# Altium PCB AI_Pyramid_PCB_HDMI_V0.3_20251031.PcbDoc (part 2 of 2)
Units mil, origin at the board's own origin, x right, y up, seen from the top; angles counter-clockwise.
Board outline 2598.43 x 2224.41 mil, 4 copper layers (Top Layer, Layer 2, Layer 1, Bottom Layer), stack 55.118 mil thick; 67 components, 74 nets, 345 pads, 587 vias.
Unrouted connection lines stored in the file: 22.
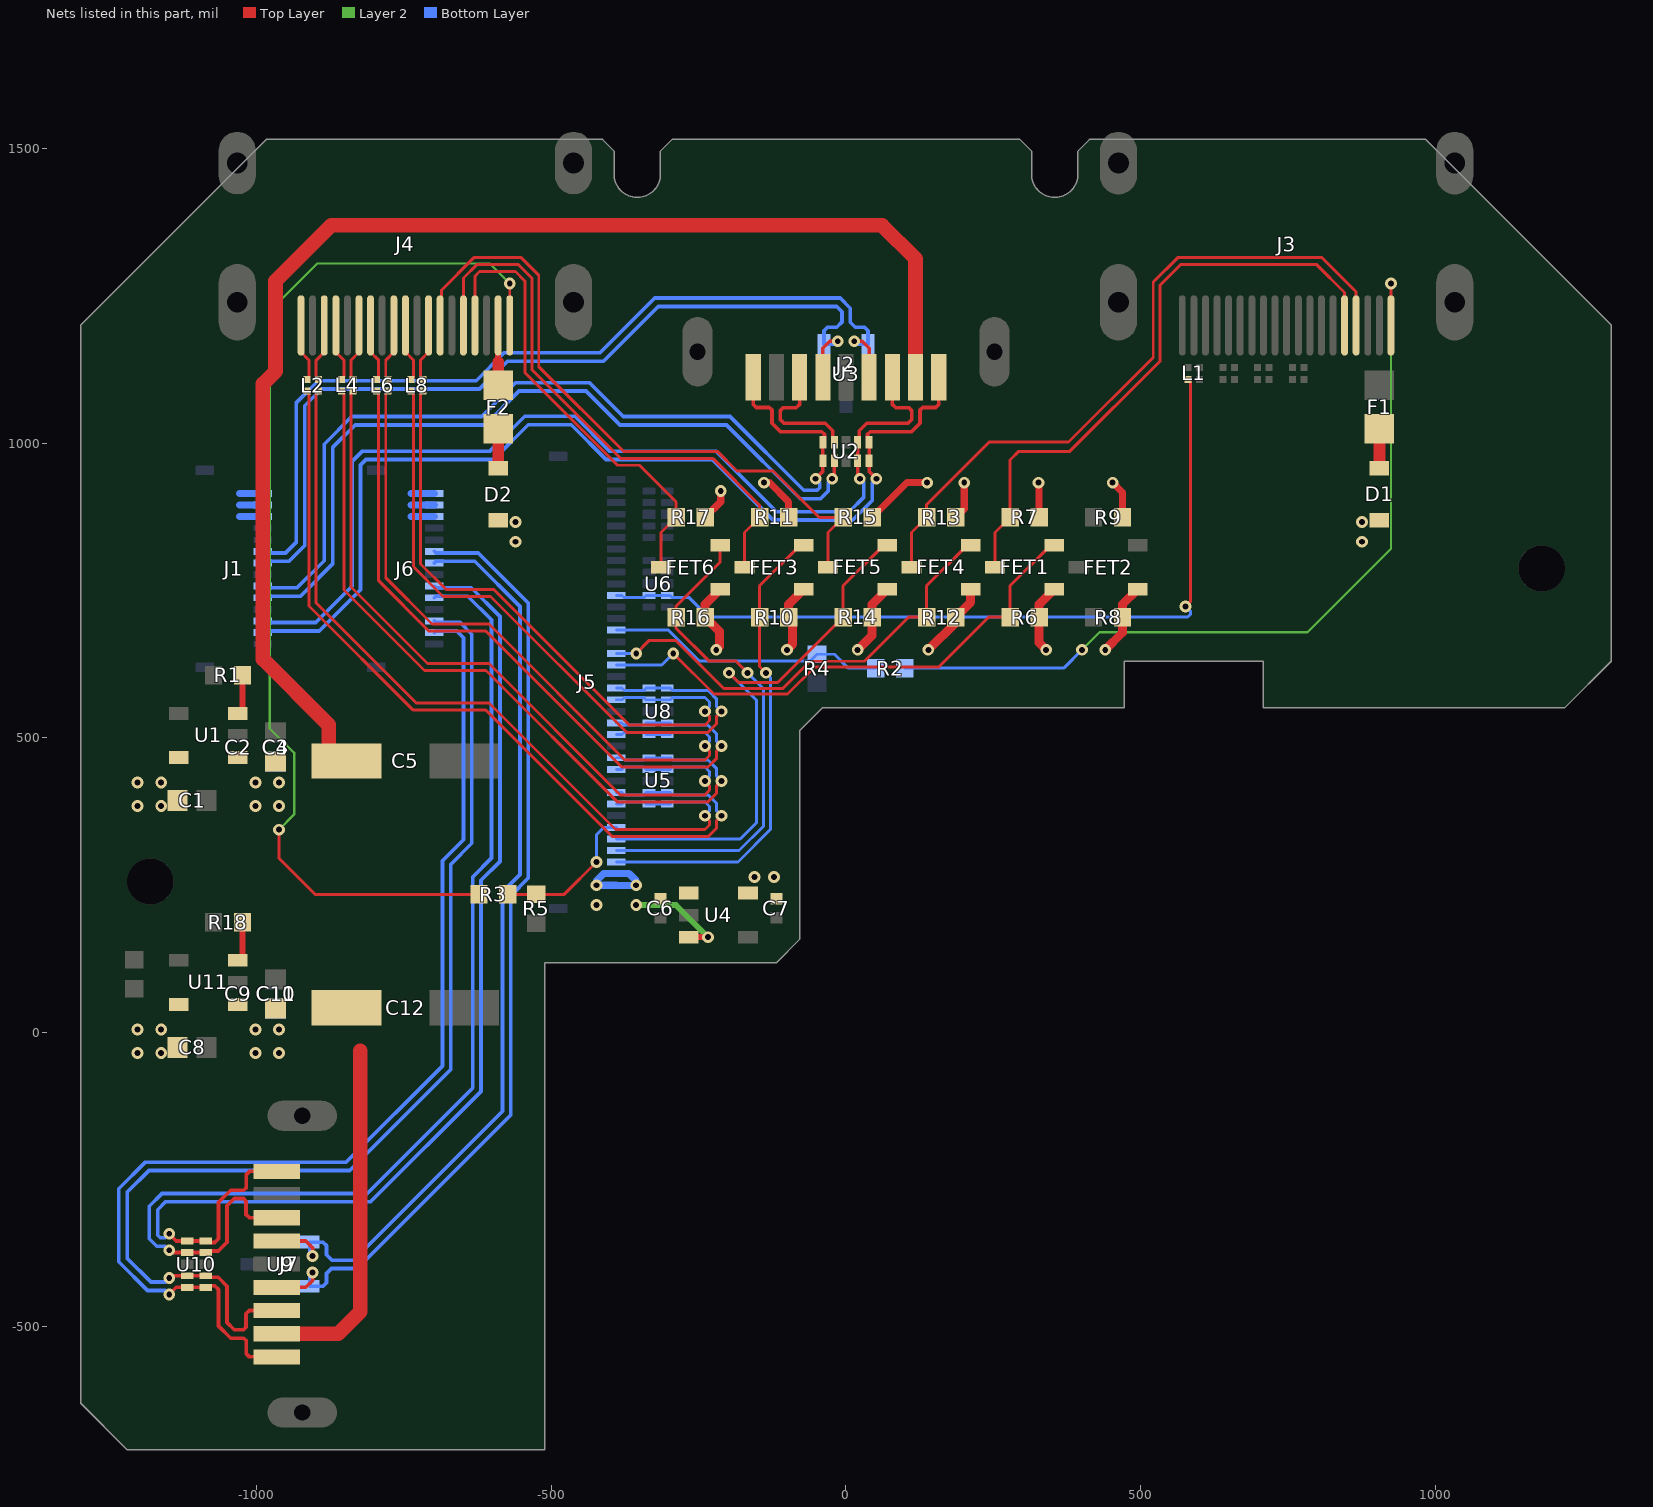
[diagram p4: the nets of this part, all layers, seen from the top]

## Via types
v1: diameter 20, hole 10, Top Layer to Bottom Layer, tented both sides, 587 vias

## Nets (pads, with @x,y where several pads share a name; then routed paths per layer and width w, separated by ;. In a path a pad name is that pad's centre, name@x,y a point inside that pad or via, vN(x,y) a via of type N, cw(c..) or ccw(c..) an arc to the next point about the centre after c; other vN are vias at no path point) (continued)
HDMI0_D2_P: J5.11 L1.1 U6.2 U6.9 | length 1402.3
  Top Layer w5: v1(576.56,722.99) 584.56,730.99 584.56,1104.72 L1.1@580.72,1108.56
  Bottom Layer w5: J5.11@-389.95,741.65 -380.1,741.65 -376.26,737.81 -343.41,737.81 -339.57,741.65 -298.35,741.65 -294.51,737.81 -266.12,737.81 -233.12,704.81 580.11,704.81 584.56,709.27 584.56,714.99 v1(576.56,722.99)
HDMI0_HPD: J5.14 R2.2 R4.2 | length 476.6
  Bottom Layer w5: J5.14@-389.95,682.59 -301.17,682.59 -248.5,629.92 -61.02,629.92 R4.2@-49.21,641.73 -19.69,641.73 3.94,618.11 R2.2@50.2,618.11
HDMI0_HPD_EXT: J3.19 R2.1 | length 1431.3
  Top Layer w5: J3.19@925.2,1200 v1(925.2,1271.18)
  Layer 2 w4: v1(400.75,649.29) 430.59,679.13 783.46,679.13 925.2,820.87 v1(925.2,1271.18)
  Bottom Layer w5: R2.1@99.41,618.11 369.57,618.11 v1(400.75,649.29)
HDMI0_SCL: FET1.2 J5.17 R6.2 | length 915.9
  Top Layer w5: v1(-293.2,643.22) -224.06,574.09 -99.14,574.09 -53.16,620.07 157.47,620.07 242.13,704.72 R6.2@278.54,704.72 278.54,757.87 347.44,826.77 FET1.2@353.35,826.77
  Bottom Layer w5: J5.17@-389.95,623.54 -312.88,623.54 v1(-293.2,643.22)
HDMI0_SCL_EXT: FET1.3 J3.15 R7.2 | length 1049
  Top Layer w5: FET1.3@252.95,789.37 252.95,848.43 R7.2@278.54,874.02 278.54,971.46 293.31,986.22 379.92,986.22 533.46,1139.76 533.46,1268.67 567.94,1303.15 799.21,1303.15 846.46,1255.9 J3.15@846.46,1200
HDMI0_SDA: FET4.2 J5.16 R12.2 | length 776.2
  Top Layer w5: v1(-356.19,643.22) -334.05,665.35 -289.37,665.35 -207.92,583.91 -107.04,583.91 -61.03,629.91 31.49,629.91 106.3,704.72 R12.2@136.81,704.72 136.81,757.87 205.71,826.77 FET4.2@211.61,826.77
  Bottom Layer w5: J5.16@-389.95,643.22 v1(-356.19,643.22)
HDMI0_SDA_EXT: FET4.3 J3.16 R13.2 | length 1175.8
  Top Layer w5: FET4.3@111.22,789.37 111.22,848.43 R13.2@136.81,874.02 136.81,895.67 243.11,1001.97 377.95,1001.97 521.65,1145.67 521.65,1273.56 563.05,1314.96 808.04,1314.96 866.14,1256.86 J3.16@866.14,1200
HDMI1_5V: F2.2 J4.18 | length 101.6
  Top Layer w10: -590.56,1137.8 J4.18@-590.56,1200.02
  Top Layer w20: F2.2@-590.56,1098.43 -590.56,1137.8
HDMI1_CEC: FET5.2 J5.32 R14.2 | length 926.6
  Top Layer w5: v1(-198.71,610.23) -182.09,593.61 -116.03,593.61 R14.2@-4.92,704.72 -4.92,757.87 63.98,826.77 FET5.2@69.88,826.77
  Bottom Layer w5: J5.32@-389.95,328.26 -179.61,328.26 -151.57,356.3 -151.57,563.09 v1(-198.71,610.23)
HDMI1_CEC_EXT: FET5.3 J4.13 R15.2 | length 1134.5
  Top Layer w5: J4.13@-688.98,1200.02 -686.48,1202.52 -686.48,1260.31 -631.83,1314.96 -551.24,1314.96 -521.65,1285.38 -521.65,1129.92 -377.95,986.22 -218.5,986.22 -185.04,952.76 -124.02,952.76 -45.28,874.02 R15.2@-4.92,874.02 -30.51,848.43 FET5.3@-30.51,789.37
HDMI1_CLK_E_N: J4.12 L8.3 | length 99
  Top Layer w5: L8.3@-718.5,1108.27 -722.35,1112.11 -722.35,1141.06 -708.67,1154.74 J4.12@-708.67,1200.02
HDMI1_CLK_E_P: J4.10 L8.4 | length 99
  Top Layer w5: J4.10@-748.04,1200.02 -748.04,1154.74 -734.35,1141.06 -734.35,1112.11 L8.4@-738.19,1108.27
HDMI1_CLK_N: J5.20 L8.2 U8.4 U8.7 | length 1107
  Top Layer w5: L8.2@-718.5,1088.58 -722.35,1084.74 -722.35,795.18 -679.13,751.97 -598.43,751.97 -367.72,521.27 -239.31,521.27 -231.53,529.05 -231.53,536.79 v1(-239.53,544.8)
  Bottom Layer w5: J5.20@-389.95,564.48 -380.11,564.48 -376.26,568.32 -343.41,568.32 -339.57,564.48 U8.4@-334.65,564.48 U8.7@-303.28,564.48 -298.35,564.48 -294.51,568.33 -239.31,568.33 -231.53,560.54 -231.53,552.8 v1(-239.53,544.8)
HDMI1_CLK_P: J5.19 L8.1 U8.5 U8.6 | length 1166.7
  Top Layer w5: L8.1@-738.19,1088.58 -734.35,1084.74 -734.35,790.21 -684.1,739.97 -603.4,739.97 -372.69,509.27 -234.34,509.27 -219.53,524.08 -219.53,536.79 v1(-211.53,544.8)
  Bottom Layer w5: J5.19@-389.95,584.17 -380.1,584.17 -376.26,580.32 -343.41,580.32 -339.57,584.17 U8.6@-303.28,584.17 -298.35,584.17 -294.51,580.33 -234.34,580.33 -219.53,565.51 -219.53,552.8 v1(-211.53,544.8)
HDMI1_D0_E_N: J4.9 L6.3 | length 99
  Top Layer w5: L6.3@-777.56,1108.27 -781.41,1112.11 -781.41,1126.59 -781.41,1141.06 -767.72,1154.74 J4.9@-767.72,1200.02
HDMI1_D0_E_P: J4.7 L6.4 | length 99
  Top Layer w5: J4.7@-807.09,1200.02 -807.09,1154.74 -793.41,1141.06 -793.41,1112.11 L6.4@-797.24,1108.27
HDMI1_D0_N: J5.23 L6.2 U8.1 U8.10 | length 1204.4
  Top Layer w5: L6.2@-777.56,1088.58 -781.4,1084.74 -781.4,771.56 -702.76,692.91 -606.3,692.91 -375.59,462.21 -239.31,462.21 -231.53,469.99 -231.53,477.73 v1(-239.53,485.75)
  Bottom Layer w5: J5.23@-389.95,505.43 -380.1,505.42 -376.26,509.26 -343.41,509.26 -339.57,505.42 -298.35,505.42 -294.51,509.27 -239.31,509.28 -231.53,501.49 -231.53,493.75 v1(-239.53,485.75)
HDMI1_D0_P: J5.22 L6.1 U8.2 U8.9 | length 1264
  Top Layer w5: L6.1@-797.24,1088.58 -793.4,1084.74 -793.4,766.59 -707.73,680.91 -611.27,680.91 -380.56,450.21 -234.34,450.21 -219.53,465.02 -219.53,477.73 v1(-211.53,485.75)
  Bottom Layer w5: J5.22@-389.95,525.11 -380.1,525.11 -376.26,521.26 -343.41,521.26 -339.57,525.11 -298.35,525.11 -294.51,521.27 -234.34,521.28 -219.53,506.46 -219.53,493.75 v1(-211.53,485.75)
HDMI1_D1_E_N: J4.6 L4.3 | length 99
  Top Layer w5: L4.3@-836.61,1108.27 -840.46,1112.11 -840.46,1141.06 -826.78,1154.74 J4.6@-826.78,1200.02
HDMI1_D1_E_P: J4.4 L4.4 | length 99
  Top Layer w5: J4.4@-866.15,1200.02 -866.15,1154.74 -852.46,1141.06 -852.46,1112.11 L4.4@-856.3,1108.27
HDMI1_D1_N: J5.26 L4.2 U5.4 U5.7 | length 1297.1
  Top Layer w5: L4.2@-836.61,1088.58 -840.46,1084.74 -840.46,755.81 -710.63,625.98 -606.3,625.98 -383.47,403.16 -239.31,403.16 -231.53,410.94 -231.53,418.68 v1(-239.53,426.69)
  Bottom Layer w5: J5.26@-389.95,446.37 -380.11,446.37 -376.26,450.21 -343.41,450.21 -339.57,446.37 -298.35,446.37 -294.51,450.22 -239.31,450.22 -231.53,442.43 -231.53,434.69 v1(-239.53,426.69)
HDMI1_D1_P: J5.25 L4.1 U5.5 U5.6 | length 1356.8
  Top Layer w5: L4.1@-856.3,1088.58 -852.46,1084.74 -852.46,750.84 -715.6,613.98 -611.27,613.98 -388.44,391.16 -234.34,391.16 -219.53,405.97 -219.53,418.68 v1(-211.53,426.69)
  Bottom Layer w5: J5.25@-389.95,466.06 -380.11,466.06 -376.26,462.21 -343.41,462.21 -339.57,466.06 -298.35,466.06 -294.51,462.22 -234.34,462.22 -219.53,447.4 -219.53,434.69 v1(-211.53,426.69)
HDMI1_D2_E_N: J4.3 L2.3 | length 99
  Top Layer w5: L2.3@-895.67,1108.27 -899.52,1112.11 -899.52,1141.06 -885.83,1154.74 J4.3@-885.83,1200.02
HDMI1_D2_E_P: J4.1 L2.4 | length 99
  Top Layer w5: J4.1@-925.2,1200.02 -925.2,1154.74 -911.52,1141.06 -911.52,1112.11 L2.4@-915.35,1108.27
HDMI1_D2_N: J5.29 L2.2 U5.1 U5.10 | length 1396.5
  Top Layer w5: L2.2@-895.67,1088.58 -899.51,1084.74 -899.51,728.71 -729.67,558.87 -606.11,558.87 -391.34,344.1 -239.31,344.1 -231.53,351.88 -231.53,359.62 v1(-239.53,367.64)
  Bottom Layer w5: J5.29@-389.95,387.31 -380.11,387.31 -376.26,391.15 -343.41,391.15 -339.57,387.31 -298.35,387.31 -294.51,391.16 -239.31,391.17 -231.53,383.38 -231.53,375.64 v1(-239.53,367.64)
HDMI1_D2_P: J5.28 L2.1 U5.2 U5.9 | length 1456.2
  Top Layer w5: L2.1@-915.35,1088.58 -911.51,1084.74 -911.51,723.74 -734.64,546.87 -611.08,546.87 -396.31,332.1 -234.34,332.1 -219.53,346.91 -219.53,359.62 v1(-211.53,367.64)
  Bottom Layer w5: J5.28@-389.95,407 -380.1,407 -376.26,403.15 -343.41,403.15 -339.57,407 -298.35,407 -294.51,403.16 -234.34,403.17 -219.53,388.35 -219.53,375.64 v1(-211.53,367.64)
HDMI1_HPD: J5.31 R3.2 R5.2 | length 258.3
  Top Layer w5: R3.2@-573.94,234.24 R5.2@-525.71,234.24 -478.34,234.24 v1(-423.7,288.89)
  Bottom Layer w5: v1(-423.7,288.89) -423.7,335.27 -411.02,347.94 J5.31@-389.95,347.94
HDMI1_HPD_EXT: J4.19 R3.1 | length 1847.8
  Top Layer w5: v1(-962.68,343.94) -962.68,295.35 -901.57,234.24 R3.1@-623.15,234.24 ; J4.19@-570.87,1200.02 v1(-570.87,1271.2)
  Layer 2 w4: v1(-962.68,343.94) -937.01,369.61 -937.01,474.41 -978.35,515.75 -978.35,1224.41 -897.64,1305.12 -604.79,1305.12 v1(-570.87,1271.2)
HDMI1_SCL: FET3.2 J5.34 R10.2 | length 809.5
  Top Layer w5: v1(-135.72,610.23) -146.65,621.17 R10.2@-146.65,704.72 -146.65,757.87 -77.76,826.77 FET3.2@-71.85,826.77
  Bottom Layer w5: J5.34@-389.95,288.89 -183.55,288.89 -127.95,344.49 -127.95,602.46 v1(-135.72,610.23)
HDMI1_SCL_EXT: FET3.3 J4.15 R11.2 | length 969
  Top Layer w5: J4.15@-649.61,1200.02 -649.61,1280.48 -626.94,1303.15 -556.13,1303.15 -533.47,1280.48 -533.47,1125.03 -382.84,974.41 -226.38,974.41 -146.65,894.69 R11.2@-146.65,874.02 -172.24,848.43 FET3.3@-172.24,789.37
HDMI1_SDA: FET6.2 J5.33 R16.2 | length 863
  Top Layer w5: FET6.2@-213.58,826.77 -213.58,798.23 -288.39,723.42 R16.2@-288.39,704.72 -288.39,686.02 -232.28,629.92 -186.91,629.92 v1(-167.21,610.23)
  Bottom Layer w5: J5.33@-389.95,308.57 -181.59,308.57 -139.76,350.39 -139.76,582.78 v1(-167.21,610.23)
HDMI1_SDA_EXT: FET6.3 J4.16 R17.2 | length 803
  Top Layer w5: J4.16@-629.93,1200.02 -629.93,1283.46 -622.05,1291.34 -561.02,1291.34 -545.28,1275.59 -545.28,1120.14 -387.74,962.6 -350.39,962.6 -288.39,900.59 R17.2@-288.39,874.02 -313.98,848.43 FET6.3@-313.98,789.37
NetD1_2: D1.2 F1.1 | length 67.1
  Top Layer w20: D1.2@905.51,957.26 F1.1@905.51,1024.41
NetD2_2: D2.2 F2.1 | length 67.1
  Top Layer w20: D2.2@-590.56,957.28 F2.1@-590.56,1024.43
NetR1_1: R1.1 U1.3 | length 68.2
  Top Layer w10: U1.3@-1032.48,541.34 -1024.61,549.21 R1.1@-1024.61,606.3
NetR18_1: R18.1 U11.3 | length 68.2
  Top Layer w10: U11.3@-1032.48,122.05 -1024.61,129.92 R18.1@-1024.61,187.01
USB2_DS3_D0_N: J1.9 J2.2 U3.2 | length 1511.6
  Top Layer w6.23: v1(14,1173.23) 27.56,1173.23 39.37,1161.42 J2.2@39.37,1112.2
  Bottom Layer w6.23: J1.9@-990.16,816.42 -987.42,813.69 -951.55,813.69 -933.07,832.17 -933.07,1069.34 -896.11,1106.3 -627.95,1106.3 -580.71,1153.54 -417.76,1153.54 -324.79,1246.51 -9.85,1246.51 7.35,1229.31 7.35,1205.24 15.75,1196.85 31.5,1196.85 37.4,1190.94 U3.2@37.4,1168.31 18.92,1168.31 v1(14,1173.23)
USB2_DS3_D0_P: J1.8 J2.3 U3.1 | length 1488.2
  Top Layer w6.23: J2.3@-39.37,1112.2 -39.37,1161.42 -27.56,1173.23 v1(-14,1173.23)
  Bottom Layer w6.23: J1.8@-990.16,796.73 -987.42,799.46 -945.65,799.46 -918.84,826.27 -918.84,1063.44 -890.21,1092.07 -622.06,1092.07 -574.81,1139.31 -411.87,1139.31 -318.9,1232.28 -15.75,1232.28 -6.88,1223.41 -6.88,1205.72 -15.75,1196.85 -31.5,1196.85 -37.4,1190.94 U3.1@-37.4,1168.31 -18.92,1168.31 v1(-14,1173.23)
USB2_DS4_D0_N: J6.9 J7.2 U9.2 | length 1653.2
  Top Layer w6.23: J7.2@-966.54,-433.07 -917.32,-433.07 -905.51,-421.26 v1(-905.51,-407.7)
  Bottom Layer w6.23: v1(-905.51,-407.7) -910.43,-412.62 U9.2@-910.43,-431.1 -887.8,-431.1 -881.89,-425.2 -881.89,-409.45 -873.5,-401.05 -829.75,-401.05 -568.9,-140.2 -568.9,232.28 -539.29,261.89 -539.29,728.71 -624.27,813.69 -696.09,813.69 J6.9@-698.82,816.42
USB2_DS4_D0_P: J6.8 J7.3 U9.1 | length 1606.2
  Top Layer w6.23: J7.3@-966.54,-354.33 -917.32,-354.33 -905.51,-366.14 v1(-905.51,-379.7)
  Bottom Layer w6.23: v1(-905.51,-379.7) -910.43,-374.78 U9.1@-910.43,-356.3 -887.8,-356.3 -881.89,-362.2 -881.89,-377.95 -873.02,-386.82 -835.64,-386.82 -583.13,-134.31 -583.13,238.18 -553.52,267.78 -553.52,722.81 -630.17,799.46 -696.09,799.46 J6.8@-698.82,796.73
USB3_DS3_RX_N: J1.6 J2.5 U2.5 U2.6 | length 1585
  Top Layer w6.23: J2.5@-157.48,1112.2 -157.48,1065.88 -152.34,1060.74 -130.09,1060.74 -125.61,1056.27 -125.61,1034.11 -111.11,1019.62 -41.16,1019.62 -36.64,1015.1 -36.64,1009.37 -39.37,1006.65 U2.5@-39.37,1001.72 U2.6@-39.37,970.35 -39.37,951.89 v1(-51.53,939.74)
  Bottom Layer w6.23: J1.6@-990.16,757.36 -987.43,754.63 -931.86,754.63 -885.83,800.67 -885.83,998.47 -839.02,1045.28 -618.55,1045.28 -561.01,1102.81 -435.49,1102.81 -377.95,1045.28 -196.85,1045.28 -71.7,920.12 -49.11,920.12 -44.64,924.59 -44.64,932.85 v1(-51.53,939.74)
USB3_DS3_RX_P: J1.5 J2.6 U2.4 U2.7 | length 1605.5
  Top Layer w6.23: J2.6@-78.74,1112.2 -78.74,1065.88 -84.41,1060.22 -106.91,1060.22 -111.38,1055.74 -111.38,1040.01 -105.22,1033.85 -35.26,1033.85 -22.41,1020.99 -22.41,1009.37 -19.69,1006.65 U2.4@-19.69,1001.72 U2.7@-19.69,970.35 -19.69,943.58 v1(-23.53,939.74)
  Bottom Layer w6.23: J1.5@-990.16,737.68 -987.43,740.4 -925.97,740.4 -871.6,794.78 -871.6,992.58 -833.13,1031.05 -612.66,1031.05 -555.12,1088.58 -441.38,1088.58 -383.85,1031.05 -202.74,1031.05 -77.59,905.89 -43.21,905.89 -30.41,918.69 -30.41,932.85 v1(-23.53,939.74)
USB3_DS3_TX_N: J1.3 J2.8 U2.2 U2.9 | length 1681.5
  Top Layer w6.23: v1(23.53,939.74) 19.68,943.58 U2.9@19.68,970.35 U2.2@19.68,1001.72 19.68,1006.65 22.41,1009.37 22.41,1020.99 35.26,1033.85 105.22,1033.85 111.38,1040.01 111.38,1055.74 106.91,1060.22 84.41,1060.22 78.74,1065.88 J2.8@78.74,1112.2
  Bottom Layer w6.23: J1.3@-990.16,698.31 -987.42,695.58 -900.37,695.58 -838.58,757.36 -838.58,968.94 -820.85,986.67 -604.32,986.67 -545.26,1045.73 -460.64,1045.73 -401.59,986.67 -220.92,986.67 -118.11,883.86 5.43,883.86 30.41,908.84 30.41,932.85 v1(23.53,939.74)
USB3_DS3_TX_P: J1.2 J2.9 U2.1 U2.10 | length 1708.1
  Top Layer w6.23: v1(51.53,939.74) 39.37,951.89 U2.10@39.37,970.35 U2.1@39.37,1001.72 39.37,1006.65 36.64,1009.37 36.64,1015.1 41.16,1019.62 111.11,1019.62 125.61,1034.11 125.61,1056.27 130.08,1060.74 152.34,1060.74 157.48,1065.88 J2.9@157.48,1112.2
  Bottom Layer w6.23: J1.2@-990.15,678.62 -987.42,681.35 -894.47,681.35 -824.35,751.47 -824.35,963.05 -814.96,972.44 -598.43,972.44 -539.37,1031.5 -466.54,1031.5 -407.48,972.44 -226.82,972.44 -124,869.63 11.32,869.63 44.64,902.95 44.64,932.85 v1(51.53,939.74)
USB3_DS4_RX_N: J6.6 J7.5 U10.5 U10.6 | length 1940.1
  Top Layer w6.23: v1(-1149,-342.17) -1136.85,-354.33 U10.6@-1118.39,-354.33 -1082.09,-354.33 -1079.37,-357.06 -1071.8,-357.06 -1065.25,-350.51 -1065.25,-288.71 -1044.63,-268.09 -1022.47,-268.09 -1018,-263.62 -1018,-241.36 -1012.86,-236.22 J7.5@-966.54,-236.22
  Bottom Layer w6.23: v1(-1149,-342.17) -1155.89,-349.06 -1164.15,-349.06 -1168.62,-344.59 -1168.62,-301.18 -1155.29,-287.85 -807.1,-287.85 -619.63,-100.38 -619.63,257.89 -587.5,290.02 -587.5,706.05 -636.09,754.63 -696.09,754.63 J6.6@-698.82,757.36
USB3_DS4_RX_P: J6.5 J7.6 U10.4 U10.7 | length 1937.1
  Top Layer w6.23: v1(-1149,-370.17) -1145.16,-374.02 U10.7@-1118.39,-374.02 -1082.09,-374.02 -1079.37,-371.29 -1065.91,-371.29 -1051.02,-356.4 -1051.02,-294.61 -1038.73,-282.32 -1023,-282.32 -1018.52,-286.79 -1018.52,-309.29 -1012.86,-314.96 J7.6@-966.54,-314.96
  Bottom Layer w6.23: v1(-1149,-370.17) -1155.89,-363.29 -1170.05,-363.29 -1182.85,-350.49 -1182.85,-295.29 -1161.18,-273.62 -812.99,-273.62 -633.86,-94.49 -633.86,263.78 -601.73,295.91 -601.73,700.15 -641.98,740.4 -696.09,740.4 J6.5@-698.82,737.68
USB3_DS4_TX_N: J6.3 J7.8 U10.2 U10.9 | length 1950.4
  Top Layer w6.23: v1(-1149,-417.23) -1145.16,-413.39 U10.9@-1118.39,-413.39 U10.2@-1087.02,-413.39 -1082.09,-413.39 -1079.37,-416.11 -1065.91,-416.11 -1051.02,-431 -1051.02,-492.79 -1038.73,-505.08 -1023,-505.08 -1018.52,-500.61 -1018.52,-478.11 -1012.86,-472.44 J7.8@-966.54,-472.44
  Bottom Layer w6.23: v1(-1149,-417.23) -1155.89,-424.11 -1179.9,-424.11 -1220.47,-383.54 -1220.47,-271.65 -1183.52,-234.7 -842.53,-234.7 -670.81,-62.98 -670.81,285.44 -635.3,320.96 -635.3,675.84 -655.04,695.58 -696.09,695.58 J6.3@-698.82,698.31
USB3_DS4_TX_P: J6.2 J7.9 U10.1 U10.10 | length 1953.4
  Top Layer w6.23: v1(-1149,-445.23) -1136.85,-433.07 U10.10@-1118.39,-433.07 U10.1@-1087.02,-433.07 -1082.09,-433.07 -1079.37,-430.34 -1071.8,-430.34 -1065.25,-436.89 -1065.25,-498.69 -1044.63,-519.31 -1022.47,-519.31 -1018,-523.79 -1018,-546.04 -1012.86,-551.18 J7.9@-966.54,-551.18
  Bottom Layer w6.23: v1(-1149,-445.23) -1155.89,-438.34 -1185.79,-438.34 -1234.7,-389.43 -1234.7,-265.76 -1189.42,-220.47 -848.43,-220.47 -685.04,-57.09 -685.04,291.34 -649.53,326.85 -649.53,669.95 -660.93,681.35 -696.09,681.35 J6.2@-698.82,678.62
VDD_3V3: C7.2 FET1.1 FET2.1 FET3.1 FET4.1 FET5.1 FET6.1 R6.1 R8.1 R10.1 R12.1 R14.1 R16.1 U4.5 | length 745.5
  Top Layer w15: v1(-220.2,649.29) -214.57,654.92 -214.57,680.12 R16.1@-239.17,704.72 -239.17,726.38 FET6.1@-213.58,751.97 ; v1(-100.2,649.29) -90.55,658.94 -90.55,697.83 R10.1@-97.44,704.72 -97.44,726.38 FET3.1@-71.85,751.97 ; v1(19.8,649.29) 44.29,673.78 R14.1@44.29,704.72 44.29,726.38 FET5.1@69.88,751.97 ; v1(139.8,649.29) 186.02,695.51 R12.1@186.02,704.72 211.61,730.32 FET4.1@211.61,751.97 ; v1(339.8,649.29) 327.76,661.33 R6.1@327.76,704.72 327.76,726.38 FET1.1@353.35,751.97 ; v1(440.12,649.29) 469.49,678.66 R8.1@469.49,704.72 469.49,726.38 FET2.1@495.08,751.97
  other v1: -155.51,263.78 -122.04,263.78
VDD_5V: C6.2 D1.1 D2.1 J5.35 J5.36 R7.1 R9.1 R11.1 R13.1 R15.1 R17.1 U4.1 U4.3 | length 783.6
  Top Layer w10: U4.3@-266.73,161.42 v1(-234.25,161.42)
  Top Layer w12: R17.1@-239.17,874.02 -212.6,900.59 v1(-212.6,918.77) ; v1(-139.21,933.07) -129.92,933.07 -97.44,900.59 R11.1@-97.44,874.02 ; R15.1@44.29,874.02 103.34,933.07 v1(137.79,933.07) ; R13.1@186.02,874.02 200.79,888.78 v1(200.79,933.07) ; v1(326.77,933.07) 327.76,932.08 R7.1@327.76,874.02 ; v1(452.75,933.07) 469.49,916.33 R9.1@469.49,874.02
  Layer 2 w10: v1(-356.2,216.05) -288.88,216.05 v1(-234.25,161.42)
  Bottom Layer w12: v1(-423.7,249.52) -389.96,249.52 -356.21,249.51 -356.2,257.3 -368.1,269.2 J5.35@-389.95,269.2 -411.8,269.2 -423.7,257.3 v1(-423.7,249.52)
  other v1: -423.7,216.05 -356.2,249.52 -561.03,832.69 875.99,832.67 -561.03,866.16 875.98,866.14
VDD_EXT_5V: C1.2 C8.2 J1.12 J1.13 J1.14 J6.12 J6.13 J6.14 U1.5 U11.5 | length 236.2
  Bottom Layer w12: -1029.53,875.47 J1.12@-990.16,875.47 ; -1029.53,895.16 J1.13@-990.16,895.16 ; -1029.53,914.84 J1.14@-990.16,914.84 ; -738.19,875.47 J6.12@-698.82,875.47 ; -738.19,895.16 J6.13@-698.82,895.16 ; -738.19,914.84 J6.14@-698.82,914.84
  other v1: -1202.68,-35.35 -1162.68,-35.35 -1202.68,4.65 -1162.68,4.65 -1202.68,383.94 -1162.68,383.94 -1202.68,423.94 -1162.68,423.94
VUSB_DS3: C2.1 C3.2 C4.2 C5.1 J2.1 U1.1 | length 2200.9
  Top Layer w25: C5.1@-877.95,480.32 -877.95,521.65 -990.16,633.86 -990.16,1100.39 -968.5,1122.05 -968.5,1275.59 -874.02,1370.08 61.02,1370.08 118.11,1312.99 J2.1@118.11,1112.2
  other v1: -1002.68,383.94 -962.68,383.94 -1002.68,423.94 -962.68,423.94
VUSB_DS4: C9.1 C10.2 C11.2 C12.1 J7.1 U11.1 | length 600.1
  Top Layer w25: J7.1@-966.54,-511.81 -862.21,-511.81 -824.8,-474.41 -824.8,-31.5
  other v1: -1002.68,-35.35 -962.68,-35.35 -1002.68,4.65 -962.68,4.65
pads on no net: J1.15 J1.16 J3.14 J4.14 J5.0 J6.15 J6.16 U4.4

## Polygon pours and split planes (outlines as drawn)
GND on Top Layer "NONET_L01_P-001" (solid, remove dead copper, pour order 30): -1299.21,-629.92 -1220.47,-708.66 -511.81,-708.66 -511.81,118.11 -118.11,118.11 -78.74,157.48 -78.74,511.81 -39.37,551.18 472.44,551.18 472.44,629.92 708.66,629.92 708.66,551.18 1220.47,551.18 1299.21,629.92 1299.21,1200.79 984.25,1515.75 413.39,1515.75 393.7,1496.06 393.7,1456.69 cw(c354.33,1456.69) 354.33,1417.32 cw(c354.33,1456.69) 314.96,1456.69 314.96,1496.06 295.28,1515.75 -295.28,1515.75 -314.96,1496.06 -314.96,1456.69 cw(c-354.33,1456.69) -354.33,1417.32 cw(c-354.33,1456.69) -393.7,1456.69 -393.7,1496.06 -413.39,1515.75 -984.25,1515.75 -1299.21,1200.79
VDD_5V on Top Layer "NONET_L01_P-001" (solid, remove dead copper, pour order 26): -602.36,881.91 -606.3,877.97 -606.3,820.89 -602.36,816.95 -553.15,816.95 -549.21,820.89 -549.21,877.97 -553.15,881.91
VDD_5V on Top Layer "NONET_L01_P-001" (solid, remove dead copper, pour order 22): 917.32,881.89 921.26,877.95 921.26,820.87 917.32,816.93 868.11,816.93 864.17,820.87 864.17,877.95 868.11,881.89
VDD_5V on Top Layer "NONET_L01_P-001" (solid, remove dead copper, pour order 20): -250,253.94 -253.94,257.87 -429.13,257.87 -433.07,253.94 -433.07,175.2 -429.13,171.26 -346.46,171.26 -342.52,175.2 -342.52,212.6 -336.61,218.5 -253.94,218.5 -250,222.44
VDD_3V3 on Top Layer "NONET_L01_P-001" (solid, remove dead copper, pour order 19): -114.17,283.46 -110.24,279.53 -110.24,222.44 -114.17,218.5 -179.13,218.5 -183.07,222.44 -183.07,277.56 -177.17,283.46
VUSB_DS3 on Top Layer "NONET_L01_P-001" (solid, remove dead copper, pour order 3): -913.39,476.38 -893.7,496.06 -811.02,496.06 -803.15,488.19 -803.15,377.95 -811.02,370.08 -1043.31,370.08 -1051.18,377.95 -1051.18,468.5 -1043.31,476.38
VDD_EXT_5V on Top Layer "NONET_L01_P-001" (solid, remove dead copper, pour order 4): -1125.98,488.19 -1118.11,480.32 -1118.11,377.95 -1125.98,370.08 -1212.6,370.08 -1220.47,377.95 -1220.47,480.32 -1212.6,488.19
VDD_EXT_5V on Top Layer "NONET_L01_P-001" (solid, remove dead copper, pour order 16): -1220.47,35.43 -1212.6,43.31 -1177.17,43.31 -1161.42,59.06 -1125.98,59.06 -1118.11,51.18 -1118.11,-41.34 -1125.98,-49.21 -1212.6,-49.21 -1220.47,-41.34
VUSB_DS4 on Top Layer "NONET_L01_P-001" (solid, remove dead copper, pour order 15): -901.57,57.09 -881.89,76.77 -811.02,76.77 -803.15,68.9 -803.15,-41.34 -811.02,-49.21 -1043.31,-49.21 -1051.18,-41.34 -1051.18,49.21 -1043.31,57.09
GND on Bottom Layer "NONET_L01_P-001" (solid, remove dead copper, pour order 29): -1299.46,-633.45 -1220.72,-712.19 -512.06,-712.19 -512.06,114.58 -118.36,114.58 -78.99,153.95 -78.99,508.28 -39.62,547.65 472.19,547.65 472.19,626.39 708.41,626.39 708.41,547.65 1220.22,547.65 1298.96,626.39 1298.96,1197.26 984,1512.22 413.14,1512.22 393.45,1492.53 393.45,1453.16 cw(c354.08,1453.16) 354.08,1413.79 cw(c354.08,1453.16) 314.71,1453.16 314.71,1492.53 295.02,1512.22 -295.53,1512.22 -315.21,1492.53 -315.21,1453.16 cw(c-354.58,1453.16) -354.58,1413.79 cw(c-354.58,1453.16) -393.95,1453.16 -393.95,1492.53 -413.64,1512.22 -984.5,1512.22 -1299.46,1197.26
VDD_5V on Bottom Layer "NONET_L01_P-001" (solid, remove dead copper, pour order 27): 124.02,1041.34 127.95,1045.28 429.13,1045.28 627.95,1244.09 905.51,1244.09 921.26,1228.35 921.26,820.87 917.32,816.93 866.14,816.93 862.2,820.87 862.2,1143.7 854.33,1151.57 688.98,1151.57 460.63,923.23 127.95,923.23 124.02,927.17
VDD_EXT_5V on Bottom Layer "NONET_L01_P-001" (solid, remove dead copper, pour order 23): -795.28,915.35 -791.34,919.29 -740.16,919.29 -736.22,915.35 -736.22,710.63 -885.83,561.02 -1098.43,561.02 -1141.73,517.72 -1141.73,374.02 -1145.67,370.08 -1246.06,370.08 -1250,374.02 -1250,600.39 -1104.33,746.06 -1104.33,921.26 -1100.39,925.2 -1023.62,925.2 -1019.68,921.26 -1019.68,631.89 -1015.75,627.95 -944.88,627.95 -929.13,643.7 -885.83,643.7 -795.28,734.25
VDD_5V on Bottom Layer "NONET_L01_P-001" (solid, remove dead copper, pour order 17): -438.98,273.62 -407.47,242.11 -348.41,242.11 -344.49,238.19 -344.49,169.29 -348.43,165.35 -431.1,165.35 -498.03,232.28 -498.03,750 -576.77,828.74 -576.77,875.98 -572.83,879.92 -442.91,879.92 -438.98,875.98
VUSB_DS3 on Bottom Layer "NONET_L01_P-001" (solid, remove dead copper, pour order 2): -901.57,476.38 -881.89,496.06 -811.02,496.06 -803.15,488.19 -803.15,377.95 -811.02,370.08 -1043.31,370.08 -1051.18,377.95 -1051.18,468.5 -1043.31,476.38
VUSB_DS4 on Bottom Layer "NONET_L01_P-001" (solid, remove dead copper, pour order 14): -901.57,57.09 -881.89,76.77 -811.02,76.77 -803.15,68.9 -803.15,-41.34 -811.02,-49.21 -1043.31,-49.21 -1051.18,-41.34 -1051.18,49.21 -1043.31,57.09
GND on Layer 2 "NONET_L01_P-001" (solid, remove dead copper, pour order 28): -1299.21,-629.92 -1220.47,-708.66 -511.81,-708.66 -511.81,118.11 -118.11,118.11 -78.74,157.48 -78.74,511.81 -39.37,551.18 472.44,551.18 472.44,629.92 708.66,629.92 708.66,551.18 1220.47,551.18 1299.21,629.92 1299.21,1200.79 984.25,1515.75 413.39,1515.75 393.7,1496.06 393.7,1456.69 cw(c354.33,1456.69) 354.33,1417.32 cw(c354.33,1456.69) 314.96,1456.69 314.96,1496.06 295.28,1515.75 -295.28,1515.75 -314.96,1496.06 -314.96,1456.69 cw(c-354.33,1456.69) -354.33,1417.32 cw(c-354.33,1456.69) -393.7,1456.69 -393.7,1496.06 -413.39,1515.75 -984.25,1515.75 -1299.21,1200.79
VDD_5V on Layer 2 "NONET_L01_P-001" (solid, remove dead copper, pour order 24): 460.63,818.9 464.57,822.83 464.57,940.94 460.63,944.88 100.39,944.88 74.8,919.29 -104.33,919.29 -139.76,954.72 -572.83,954.72 -576.77,950.79 -576.77,828.74 -566.93,818.9
VDD_EXT_5V on Layer 2 "NONET_L01_P-001" (solid, remove dead copper, pour order 21): -1216.54,484.25 -1212.6,488.19 -1005.91,488.19 -1001.97,484.25 -1001.97,-45.28 -1005.91,-49.21 -1212.6,-49.21 -1216.54,-45.28
VDD_3V3 on Layer 2 "NONET_L01_P-001" (solid, remove dead copper, pour order 11): -173.23,248.03 -102.36,248.03 -98.43,251.97 -98.43,521.65 -25.59,594.49 448.82,594.49 452.76,598.43 452.76,655.51 448.82,659.45 -228.35,659.45 -232.28,655.51 -232.28,627.95 -228.35,624.02 -122.05,624.02 -118.11,620.08 -118.11,592.52 -155.51,555.12 -155.51,328.74 -177.17,307.09 -177.17,251.97
GND on Layer 1 "NONET_L01_P-001" (solid, remove dead copper, pour order 18): -1299.21,-629.92 -1220.47,-708.66 -511.81,-708.66 -511.81,118.11 -118.11,118.11 -78.74,157.48 -78.74,511.81 -39.37,551.18 472.44,551.18 472.44,629.92 708.66,629.92 708.66,551.18 1220.47,551.18 1299.21,629.92 1299.21,1200.79 984.25,1515.75 413.39,1515.75 393.7,1496.06 393.7,1456.69 cw(c354.33,1456.69) 354.33,1417.32 cw(c354.33,1456.69) 314.96,1456.69 314.96,1496.06 295.28,1515.75 -295.28,1515.75 -314.96,1496.06 -314.96,1456.69 cw(c-354.33,1456.69) -354.33,1417.32 cw(c-354.33,1456.69) -393.7,1456.69 -393.7,1496.06 -413.39,1515.75 -984.25,1515.75 -1299.21,1200.79

## Other copper
Multi-Layer:
  pour cut-out: -1279.53,255.91 ccw(c-1181.1,255.91) -1181.1,157.48 ccw(c-1181.1,255.91) -1082.68,255.91 ccw(c-1181.1,255.91) -1181.1,354.33 ccw(c-1181.1,255.91)
  pour cut-out: 1082.68,787.4 ccw(c1181.1,787.4) 1181.1,688.98 ccw(c1181.1,787.4) 1279.53,787.4 ccw(c1181.1,787.4) 1181.1,885.83 ccw(c1181.1,787.4)

## Silkscreen, mask and mechanical layers (free items; w line width, h text height)
Top Overlay:
  text "AX650C" at -1206.69,951.46 h98.43
  text "PYRAMID" at -1114.79,899.86 h62.99
  text "AI" at -1218.34,879.16 h62.99
  text "." at -1130.96,879.16 h118.11
  text "－－2F－－" at -1206.69,844.74 h62.99
  text "V0.3" at -1206.69,788.33 h62.99
  text "251031" at -1037.4,788.33 h62.99
Bottom Overlay:
  lines w5: -1259.83,616.81 -1102.35,774.29 ; -1259.83,636.5 -1102.35,793.98 ; -1259.83,656.18 -1102.35,813.66 ; -1259.83,675.87 -1102.35,833.35 ; -1259.83,695.55 -1102.35,853.03 ; -1259.83,715.24 -1102.35,872.72 ; -1259.83,734.92 -1102.35,892.4 ; -1259.83,754.61 -1102.35,912.09 ; -1259.83,774.29 -1102.35,931.77 ; -1259.83,793.98 -1102.35,951.46 ; -1259.83,813.66 -1122.03,951.46 ; -1259.83,833.35 -1141.72,951.46 ; -1259.83,853.03 -1161.4,951.46 ; -1259.83,872.72 -1181.09,951.46 ; -1259.83,892.4 -1200.77,951.46 ; -1259.83,912.09 -1220.46,951.46 ; -1259.83,931.77 -1240.14,951.46 ; -1240.14,595.79 -1102.35,733.59 ; -1220.46,595.79 -1102.35,713.9 ; -1200.77,595.79 -1102.35,694.22 ; -1181.09,595.79 -1102.35,674.53 ; -1161.4,595.79 -1102.35,654.85 ; -1141.72,595.79 -1102.35,635.16 ; -1122.03,595.79 -1102.35,615.48 ; -1102.35,753.27 -1259.83,595.79 ; -968.49,616.81 -811.01,774.29 ; -968.49,636.5 -811.01,793.98 ; -968.49,656.18 -811.01,813.66 ; -968.49,675.87 -811.01,833.35 ; -968.49,695.55 -811.01,853.03 ; -968.49,715.24 -811.01,872.72 ; -968.49,734.92 -811.01,892.4 ; -968.49,754.61 -811.01,912.09 ; -968.49,774.29 -811.01,931.77 ; -968.49,793.98 -811.01,951.46 ; -968.49,813.66 -830.7,951.46 ; -968.49,833.35 -850.38,951.46 ; -968.49,853.03 -870.07,951.46 ; -968.49,872.72 -889.75,951.46 ; -968.49,892.4 -909.44,951.46 ; -968.49,912.09 -929.12,951.46 ; -968.49,931.77 -948.81,951.46 ; -948.81,595.79 -811.01,733.59 ; -929.12,595.79 -811.01,713.9 ; -909.44,595.79 -811.01,694.22 ; -889.75,595.79 -811.01,674.53 ; -870.07,595.79 -811.01,654.85 ; -850.38,595.79 -811.01,635.16 ; -830.7,595.79 -811.01,615.48 ; -811.01,753.27 -968.49,595.79 ; -659.64,187.68 -502.16,345.16 ; -659.64,207.36 -502.16,364.84 ; -659.64,227.05 -502.16,384.53 ; -659.64,246.73 -502.16,404.21 ; -659.64,266.42 -502.16,423.9 ; -659.64,286.1 -502.16,443.58 ; -659.64,305.79 -502.16,463.27 ; -659.64,325.47 -502.16,482.95 ; -659.64,345.16 -502.16,502.64 ; -659.64,364.84 -502.16,522.32 ; -659.64,384.53 -502.16,542.01 ; -659.64,404.21 -502.16,561.69 ; -659.64,423.9 -502.16,581.38 ; -659.64,443.58 -502.16,601.06 ; -659.64,463.27 -502.16,620.75 ; -659.64,482.95 -502.16,640.43 ; -659.64,502.64 -502.16,660.12 ; -659.64,522.32 -502.16,679.8 ; -659.64,542.01 -502.16,699.49 ; -659.64,561.69 -502.16,719.17 ; -659.64,581.38 -502.16,738.86 ; -659.64,601.06 -502.16,758.54 ; -659.64,620.74 -502.16,778.23 ; -659.64,640.43 -502.16,797.91 ; -659.64,660.11 -502.16,817.6 ; -659.64,679.8 -502.16,837.28 ; -659.64,699.48 -502.16,856.97 ; -659.64,719.17 -502.16,876.65 ; -659.64,738.85 -502.16,896.34 ; -659.64,758.54 -502.16,916.02 ; -659.64,778.22 -502.16,935.71 ; -659.64,797.91 -502.16,955.39 ; -659.64,817.59 -521.84,955.39 ; -659.64,837.28 -541.53,955.39 ; -659.64,856.97 -561.21,955.39 ; -659.64,876.65 -580.9,955.39 ; -659.64,896.34 -600.58,955.39 ; -659.64,916.02 -620.27,955.39 ; -659.64,935.71 -639.95,955.39 ; -639.95,166.65 -502.16,304.44 ; -620.27,166.65 -502.16,284.76 ; -600.58,166.65 -502.16,265.07 ; -580.9,166.65 -502.16,245.39 ; -561.21,166.65 -502.16,225.7 ; -541.53,166.65 -502.16,206.02 ; -521.84,166.65 -502.16,186.33 ; -502.16,324.13 -659.64,166.65 ; -1259.83,595.79 -1102.35,595.79 -1102.35,951.46 ; -1259.83,595.79 -1259.83,951.46 -1102.35,951.46 ; -968.49,595.79 -968.49,951.46 -811.01,951.46 ; -968.49,595.79 -811.01,595.79 -811.01,951.46 ; -659.64,166.65 -659.64,955.39 -502.16,955.39 ; -659.64,166.65 -502.16,166.65 -502.16,955.39
Mechanical 1:
  lines w1: -462.6,1475.61 -462.6,1475.61
  lines w3.94: -1299.21,-629.92 -1299.21,610.24 -1299.21,1200.79 -984.25,1515.75 -413.39,1515.75 -393.7,1496.06 -393.7,1456.69 ccw(c-354.33,1456.69) -314.96,1456.69 -314.96,1496.06 -295.28,1515.75 -196.85,1515.75 295.28,1515.75 314.96,1496.06 314.96,1456.69 ccw(c354.33,1456.69) 393.7,1456.69 393.7,1496.06 413.39,1515.75 984.25,1515.75 1299.21,1200.79 1299.21,629.92 1220.47,551.18 708.66,551.18 708.66,629.92 472.44,629.92 472.44,551.18 -39.37,551.18 -78.74,511.81 -78.74,442.91 -78.74,157.48 -118.11,118.11 -511.81,118.11 -511.81,-39.37 -511.81,-708.66 -1220.47,-708.66 -1299.21,-629.92
outline:
  the board outline again, w39.37

## Text inside footprints (layer, text, board x,y; h text height)
C5: Top Overlay "+" at -830.89,372.77 h30
C12: Top Overlay "+" at -830.89,-46.52 h30